# Altium PCB BRG_Daughter_Single.PcbDoc (part 2 of 2) (continued)
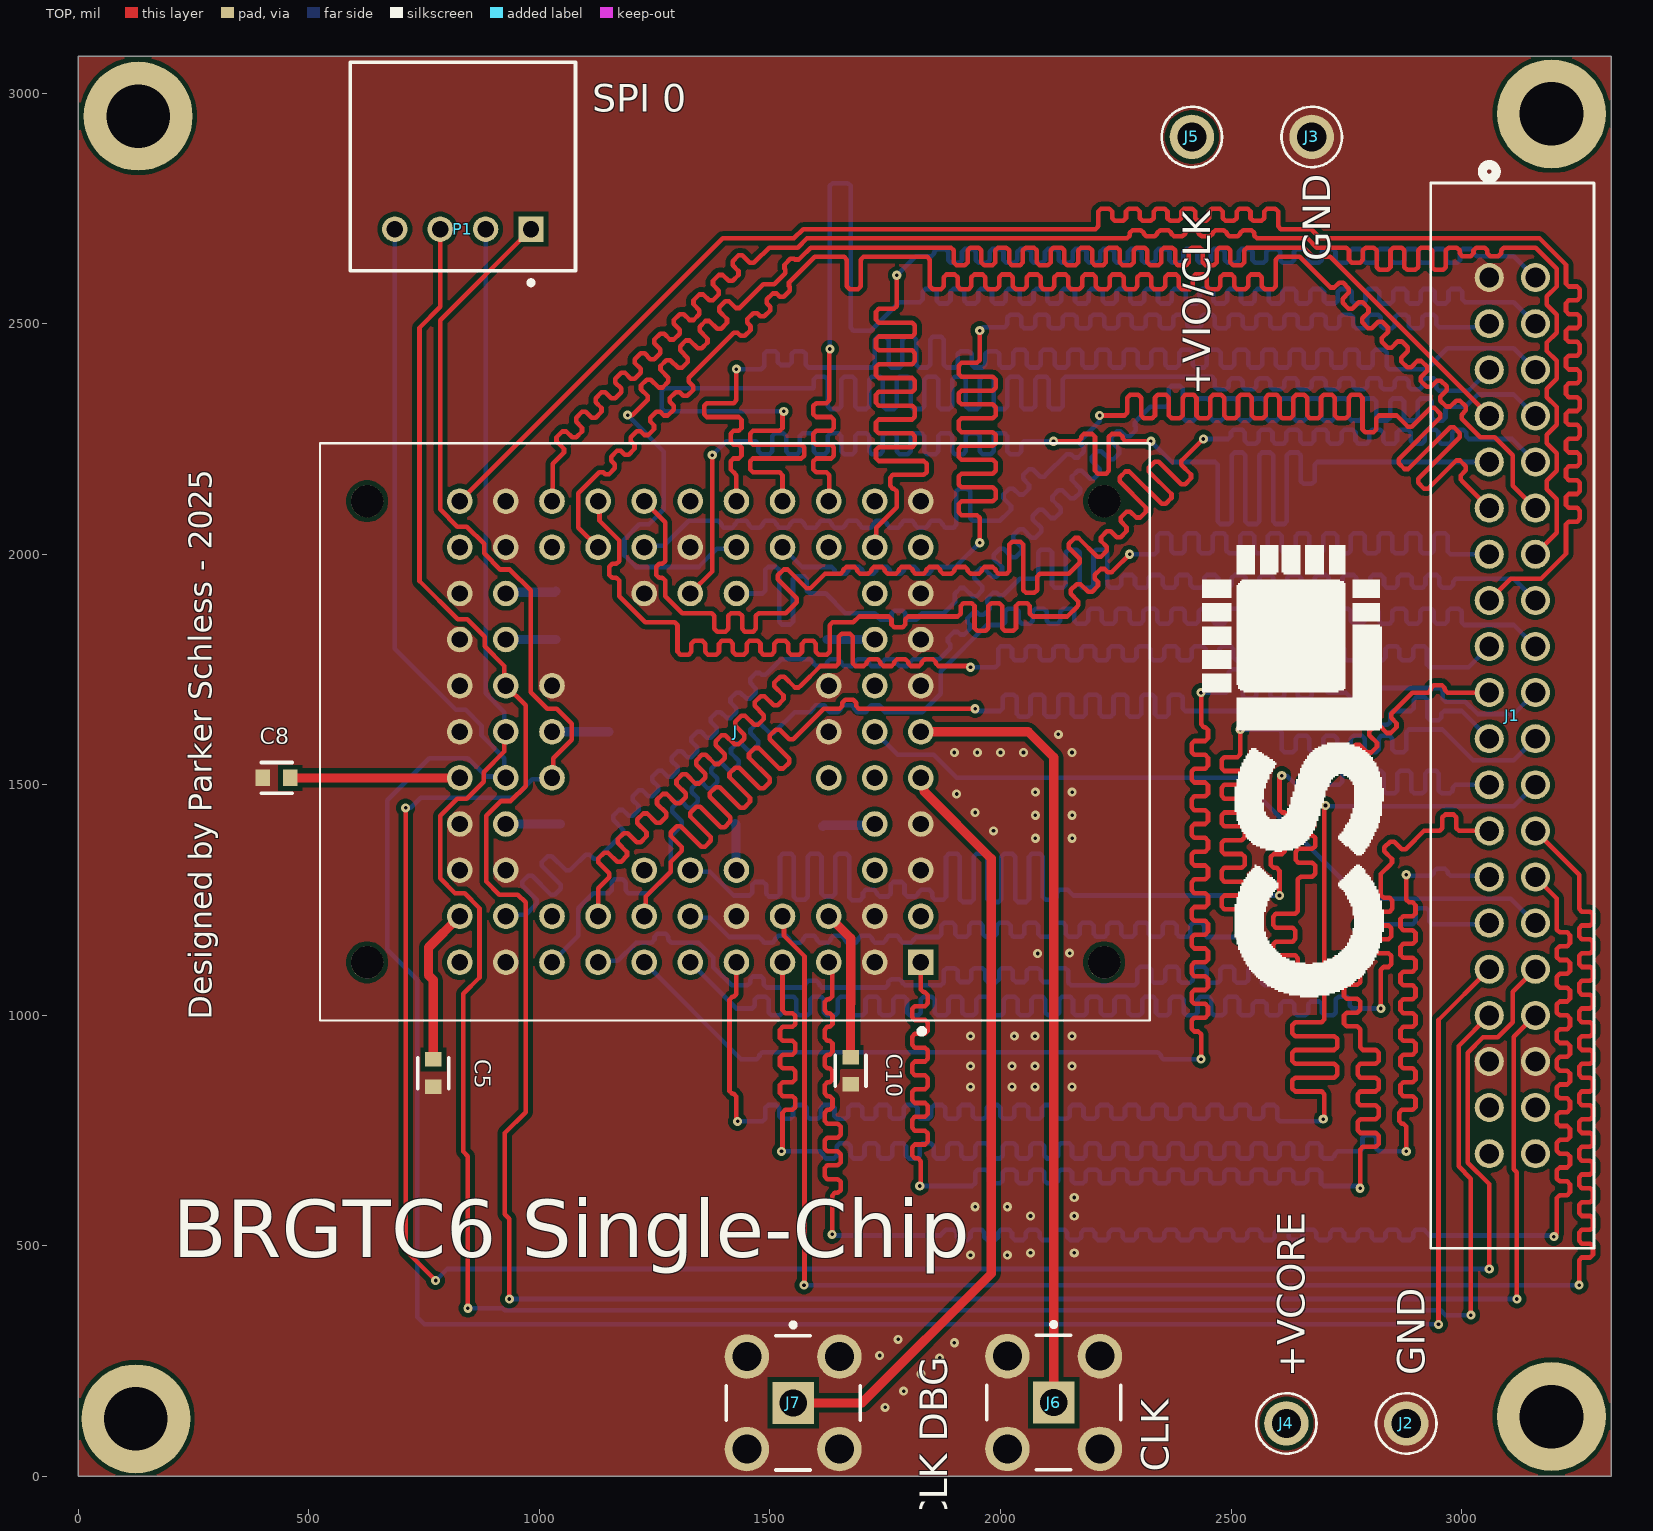
[diagram p0: TOP view]
## Nets (pads, with @x,y where several pads share a name; then routed paths per layer and width w, separated by ;. In a path a pad name is that pad's centre, name@x,y a point inside that pad or via, vN(x,y) a via of type N, cw(c..) or ccw(c..) an arc to the next point about the centre after c; other vN are vias at no path point) (continued)
CRED_MSG_UP_7: J1.22 J.B6 | length 3703.8
  TOP w10: v1(2520,1170) 2520,1219 2520,1224 2514,1230 2485.5,1230 2479.5,1236 2479.5,1254 2485.5,1260 2523.5,1260 2529.5,1266 2529.5,1284 2523.5,1290 2485.5,1290 2479.5,1296 2479.5,1314 2485.5,1320 2523.5,1320 2529.5,1326 2529.5,1344 2523.5,1350 2485.5,1350 2479.5,1356 2479.5,1374 2485.5,1380 2523.5,1380 2529.5,1386 2529.5,1404 2523.5,1410 2485.5,1410 2479.5,1416 2479.5,1434 2485.5,1440 2523.5,1440 2529.5,1446 2529.5,1464 2523.5,1470 2485.5,1470 2479.5,1476 2479.5,1494 2485.5,1500 2523.5,1500 2529.5,1506 2529.5,1524 2523.5,1530 2485.5,1530 2479.5,1536 2479.5,1554 2485.5,1560 2514,1560 2520,1566 2520,1571 v1(2520,1620)
  BOT w10: J.B6@1327.36,1215 1330.49,1211.87 1370.08,1211.87 1411.95,1170 1470.95,1170 1475.95,1170 1481.95,1164 1481.95,1163.72 1487.95,1157.72 1505.95,1157.72 1511.95,1163.72 1511.95,1166.28 1517.95,1172.28 1535.95,1172.28 1541.95,1166.28 1541.95,1163.72 1547.95,1157.72 1565.95,1157.72 1571.95,1163.72 1571.95,1166.28 1577.95,1172.28 1595.95,1172.28 1601.95,1166.28 1601.95,1163.72 1607.95,1157.72 1625.95,1157.72 1631.95,1163.72 1631.95,1166.28 1637.95,1172.28 1655.95,1172.28 1661.95,1166.28 1661.95,1163.72 1667.95,1157.72 1685.95,1157.72 1691.95,1163.72 1691.95,1166.28 1697.95,1172.28 1715.95,1172.28 1721.95,1166.28 1721.95,1163.72 1727.95,1157.72 1745.95,1157.72 1751.95,1163.72 1751.95,1166.28 1757.95,1172.28 1775.95,1172.28 1781.95,1166.28 1781.95,1163.72 1787.95,1157.72 1805.95,1157.72 1811.95,1163.72 1811.95,1164 1817.95,1170 1822.95,1170 1860.95,1170 1865.95,1170 1871.95,1176 1871.95,1194.54 1877.95,1200.54 1895.95,1200.54 1901.95,1194.54 1901.95,1176.54 1907.95,1170.54 1925.95,1170.54 1931.95,1176.54 1931.95,1194.54 1937.95,1200.54 1955.95,1200.54 1961.95,1194.54 1961.95,1176.54 1967.95,1170.54 1985.95,1170.54 1991.95,1176.54 1991.95,1194.54 1997.95,1200.54 2015.95,1200.54 2021.95,1194.54 2021.95,1176.54 2027.95,1170.54 2045.95,1170.54 2051.95,1176.54 2051.95,1194.54 2057.95,1200.54 2075.95,1200.54 2081.95,1194.54 2081.95,1176.54 2087.95,1170.54 2105.95,1170.54 2111.95,1176.54 2111.95,1194.54 2117.95,1200.54 2135.95,1200.54 2141.95,1194.54 2141.95,1176.54 2147.95,1170.54 2165.95,1170.54 2171.95,1176.54 2171.95,1194.54 2177.95,1200.54 2195.95,1200.54 2201.95,1194.54 2201.95,1176.54 2207.95,1170.54 2225.95,1170.54 2231.95,1176.54 2231.95,1194.54 2237.95,1200.54 2255.95,1200.54 2261.95,1194.54 2261.95,1176.54 2267.95,1170.54 2285.95,1170.54 2291.95,1176.54 2291.95,1194.54 2297.95,1200.54 2315.95,1200.54 2321.95,1194.54 2321.95,1176.54 2327.95,1170.54 2345.95,1170.54 2351.95,1176.54 2351.95,1194.54 2357.95,1200.54 2375.95,1200.54 2381.95,1194.54 2381.95,1176.54 2387.95,1170.54 2405.95,1170.54 2411.95,1176.54 2411.95,1194.54 2417.95,1200.54 2435.95,1200.54 2441.95,1194.54 2441.95,1176 2447.95,1170 2452.95,1170 v1(2520,1170) ; v1(2520,1620) 2599,1620 2604,1620 2610,1614 2610,1576.5 2616,1570.5 2634,1570.5 2640,1576.5 2640,1600 2646,1606 2664,1606 2670,1600 2670,1576.5 2676,1570.5 2694,1570.5 2700,1576.5 2700,1600 2706,1606 2724,1606 2730,1600 2730,1576.5 2736,1570.5 2754,1570.5 2760,1576.5 2760,1600 2766,1606 2784,1606 2790,1600 2790,1576.5 2796,1570.5 2814,1570.5 2820,1576.5 2820,1600 2826,1606 2844,1606 2850,1600 2850,1576.5 2856,1570.5 2874,1570.5 2880,1576.5 2880,1614 2886,1620 2891,1620 2958.15,1620 3024.65,1553.5 3113.5,1553.5 J1.22@3160,1600
CRED_REPAIR_DOWN: J1.2 J.K2 | length 3916.1
  TOP w10: J.K2@1727.36,2015 1730.49,2018.13 1730.49,2057.72 1775,2102.23 1775,2131.23 1775,2136.23 1769,2142.23 1766.54,2142.23 1760.54,2148.23 1760.54,2166.23 1766.54,2172.23 1834,2172.23 1840,2178.23 1840,2196.23 1834,2202.23 1736,2202.23 1730,2208.23 1730,2226.23 1736,2232.23 1808.46,2232.23 1814.46,2238.23 1814.46,2256.23 1808.46,2262.23 1736,2262.23 1730,2268.23 1730,2286.23 1736,2292.23 1808.46,2292.23 1814.46,2298.23 1814.46,2316.23 1808.46,2322.23 1736,2322.23 1730,2328.23 1730,2346.23 1736,2352.23 1808.46,2352.23 1814.46,2358.23 1814.46,2376.23 1808.46,2382.23 1736,2382.23 1730,2388.23 1730,2406.23 1736,2412.23 1808.46,2412.23 1814.46,2418.23 1814.46,2436.23 1808.46,2442.23 1736,2442.23 1730,2448.23 1730,2466.23 1736,2472.23 1808.46,2472.23 1814.46,2478.23 1814.46,2496.23 1808.46,2502.23 1736,2502.23 1730,2508.23 1730,2526.23 1736,2532.23 1769,2532.23 1775,2538.23 1775,2543.23 v1(1775,2605)
  BOT w10: v1(1775,2605) 1816.5,2646.5 1845.5,2646.5 1850.5,2646.5 1856.5,2652.5 1856.5,2656 1862.5,2662 1880.5,2662 1886.5,2656 1886.5,2638 1892.5,2632 1910.5,2632 1916.5,2638 1916.5,2656 1922.5,2662 1940.5,2662 1946.5,2656 1946.5,2638 1952.5,2632 1970.5,2632 1976.5,2638 1976.5,2656 1982.5,2662 2000.5,2662 2006.5,2656 2006.5,2638 2012.5,2632 2030.5,2632 2036.5,2638 2036.5,2656 2042.5,2662 2060.5,2662 2066.5,2656 2066.5,2638 2072.5,2632 2090.5,2632 2096.5,2638 2096.5,2656 2102.5,2662 2120.5,2662 2126.5,2656 2126.5,2638 2132.5,2632 2150.5,2632 2156.5,2638 2156.5,2656 2162.5,2662 2180.5,2662 2186.5,2656 2186.5,2638 2192.5,2632 2210.5,2632 2216.5,2638 2216.5,2656 2222.5,2662 2240.5,2662 2246.5,2656 2246.5,2638 2252.5,2632 2270.5,2632 2276.5,2638 2276.5,2656 2282.5,2662 2300.5,2662 2306.5,2656 2306.5,2638 2312.5,2632 2330.5,2632 2336.5,2638 2336.5,2656 2342.5,2662 2360.5,2662 2366.5,2656 2366.5,2638 2372.5,2632 2390.5,2632 2396.5,2638 2396.5,2656 2402.5,2662 2420.5,2662 2426.5,2656 2426.5,2638 2432.5,2632 2450.5,2632 2456.5,2638 2456.5,2656 2462.5,2662 2480.5,2662 2486.5,2656 2486.5,2638 2492.5,2632 2510.5,2632 2516.5,2638 2516.5,2656 2522.5,2662 2540.5,2662 2546.5,2656 2546.5,2638 2552.5,2632 2570.5,2632 2576.5,2638 2576.5,2656 2582.5,2662 2600.5,2662 2606.5,2656 2606.5,2638 2612.5,2632 2630.5,2632 2636.5,2638 2636.5,2656 2642.5,2662 2660.5,2662 2666.5,2656 2666.5,2638 2672.5,2632 2690.5,2632 2696.5,2638 2696.5,2656 2702.5,2662 2720.5,2662 2726.5,2656 2726.5,2638 2732.5,2632 2750.5,2632 2756.5,2638 2756.5,2656 2762.5,2662 2780.5,2662 2786.5,2656 2786.5,2638 2792.5,2632 2810.5,2632 2816.5,2638 2816.5,2656 2822.5,2662 2840.5,2662 2846.5,2656 2846.5,2638 2852.5,2632 2870.5,2632 2876.5,2638 2876.5,2656 2882.5,2662 2900.5,2662 2906.5,2656 2906.5,2638 2912.5,2632 2930.5,2632 2936.5,2638 2936.5,2656 2942.5,2662 2960.5,2662 2966.5,2656 2966.5,2638 2972.5,2632 2990.5,2632 2996.5,2638 2996.5,2656 3002.5,2662 3020.5,2662 3026.5,2656 3026.5,2652.5 3032.5,2646.5 3037.5,2646.5 3113.5,2646.5 J1.2@3160,2600
CRED_REPAIR_UP: J1.16 J.B10 | length 4236.5
  BOT w10: J.B10@927.36,1215 930.49,1218.13 970.08,1218.13 990.58,1238.63 994.12,1242.17 994.12,1250.65 963.02,1281.76 963.02,1290.24 975.74,1302.97 984.23,1302.97 1025.24,1261.96 1033.73,1261.96 1046.45,1274.69 1046.45,1283.17 1005.44,1324.18 1005.44,1332.67 1018.17,1345.4 1026.66,1345.4 1057.76,1314.29 1066.25,1314.29 1069.78,1317.83 1100.19,1348.23 1108.67,1348.23 1117.68,1339.23 1126.16,1339.23 1177.78,1390.85 1181.32,1394.38 1181.32,1402.87 1159.94,1424.25 1159.94,1432.73 1172.66,1445.46 1181.15,1445.46 1193.88,1432.73 1202.36,1432.73 1215.09,1445.46 1215.09,1453.95 1202.36,1466.68 1202.36,1475.16 1215.09,1487.89 1223.58,1487.89 1236.3,1475.16 1244.79,1475.16 1257.52,1487.89 1257.52,1496.37 1244.79,1509.1 1244.79,1517.59 1257.52,1530.31 1266,1530.31 1278.73,1517.59 1287.22,1517.59 1299.94,1530.31 1299.94,1538.8 1287.22,1551.53 1287.22,1560.01 1299.94,1572.74 1308.43,1572.74 1321.16,1560.01 1329.64,1560.01 1342.37,1572.74 1342.37,1581.23 1329.64,1593.95 1329.64,1602.44 1342.37,1615.17 1350.86,1615.17 1363.58,1602.44 1372.07,1602.44 1384.8,1615.17 1384.8,1623.65 1372.07,1636.38 1372.07,1644.87 1384.8,1657.59 1393.28,1657.59 1406.01,1644.87 1414.5,1644.87 1427.22,1657.59 1427.22,1666.08 1414.5,1678.81 1414.5,1687.29 1427.22,1700.02 1435.71,1700.02 1448.44,1687.29 1456.92,1687.29 1469.65,1700.02 1469.65,1708.51 1456.92,1721.23 1456.92,1729.72 1469.65,1742.45 1478.13,1742.45 1482.02,1738.56 1490.51,1738.56 1494.04,1742.09 1524.24,1772.28 1583.24,1772.28 1588.24,1772.28 1594.24,1766.28 1594.24,1763.72 1600.24,1757.72 1618.24,1757.72 1624.24,1763.72 1624.24,1766.28 1630.24,1772.28 1648.24,1772.28 1654.24,1766.28 1654.24,1763.72 1660.24,1757.72 1678.24,1757.72 1684.24,1763.72 1684.24,1766.28 1690.24,1772.28 1708.24,1772.28 1714.24,1766.28 1714.24,1763.72 1720.24,1757.72 1738.24,1757.72 1744.24,1763.72 1744.24,1766.28 1750.24,1772.28 1768.24,1772.28 1774.24,1766.28 1774.24,1763.72 1780.24,1757.72 1798.24,1757.72 1804.24,1763.72 1804.24,1766.28 1810.24,1772.28 1815.24,1772.28 1867.43,1772.28 1887.94,1792.79 1891.47,1796.32 1891.47,1804.81 1886.14,1810.14 1886.14,1818.62 1898.87,1831.35 1907.36,1831.35 1912.69,1826.02 1921.17,1826.02 1933.9,1838.75 1933.9,1847.24 1928.57,1852.57 1928.57,1861.05 1941.3,1873.78 1949.78,1873.78 1955.11,1868.45 1963.6,1868.45 1976.33,1881.18 1976.33,1889.66 1971,1894.99 1971,1903.48 1983.72,1916.21 1992.21,1916.21 1997.54,1910.88 2006.02,1910.88 2009.56,1914.41 2041.65,1946.5 2070.65,1946.5 2075.65,1946.5 2081.65,1952.5 2081.65,2004.16 2087.65,2010.16 2105.65,2010.16 2111.65,2004.16 2111.65,1933.47 2117.65,1927.47 2135.65,1927.47 2141.65,1933.47 2141.65,2004.16 2147.65,2010.16 2165.65,2010.16 2171.65,2004.16 2171.65,1933.47 2177.65,1927.47 2195.65,1927.47 2201.65,1933.47 2201.65,2004.16 2207.65,2010.16 2225.65,2010.16 2231.65,2004.16 2231.65,1933.47 2237.65,1927.47 2255.65,1927.47 2261.65,1933.47 2261.65,1948.94 2267.65,1954.94 2285.65,1954.94 2291.65,1948.94 2291.65,1933.47 2297.65,1927.47 2315.65,1927.47 2321.65,1933.47 2321.65,1948.94 2327.65,1954.94 2345.65,1954.94 2351.65,1948.94 2351.65,1933.47 2357.65,1927.47 2375.65,1927.47 2381.65,1933.47 2381.65,1948.94 2387.65,1954.94 2405.65,1954.94 2411.65,1948.94 2411.65,1933.47 2417.65,1927.47 2435.65,1927.47 2441.65,1933.47 2441.65,1948.94 2447.65,1954.94 2465.65,1954.94 2471.65,1948.94 2471.65,1933.47 2477.65,1927.47 2495.65,1927.47 2501.65,1933.47 2501.65,1948.94 2507.65,1954.94 2525.65,1954.94 2531.65,1948.94 2531.65,1933.47 2537.65,1927.47 2555.65,1927.47 2561.65,1933.47 2561.65,1948.94 2567.65,1954.94 2585.65,1954.94 2591.65,1948.94 2591.65,1933.47 2597.65,1927.47 2615.65,1927.47 2621.65,1933.47 2621.65,1948.94 2627.65,1954.94 2645.65,1954.94 2651.65,1948.94 2651.65,1933.47 2657.65,1927.47 2675.65,1927.47 2681.65,1933.47 2681.65,1948.94 2687.65,1954.94 2705.65,1954.94 2711.65,1948.94 2711.65,1933.47 2717.65,1927.47 2735.65,1927.47 2741.65,1933.47 2741.65,1948.94 2747.65,1954.94 2765.65,1954.94 2771.65,1948.94 2771.65,1933.47 2777.65,1927.47 2795.65,1927.47 2801.65,1933.47 2801.65,1948.94 2807.65,1954.94 2825.65,1954.94 2831.65,1948.94 2831.65,1933.47 2837.65,1927.47 2855.65,1927.47 2861.65,1933.47 2861.65,1948.94 2867.65,1954.94 2885.65,1954.94 2891.65,1948.94 2891.65,1933.47 2897.65,1927.47 2915.65,1927.47 2921.65,1933.47 2921.65,1948.94 2927.65,1954.94 2945.65,1954.94 2951.65,1948.94 2951.65,1933.47 2957.65,1927.47 2975.65,1927.47 2981.65,1933.47 2981.65,1940.5 2987.65,1946.5 2992.65,1946.5 3113.5,1946.5 J1.16@3160,1900
CRED_RST_DOWN: J1.3 J.K4 | length 3634.9
  TOP w10: v1(1955,2025) 1955,2074 1955,2079 1949,2085 1915.5,2085 1909.5,2091 1909.5,2109 1915.5,2115 1983.5,2115 1989.5,2121 1989.5,2139 1983.5,2145 1915.5,2145 1909.5,2151 1909.5,2169 1915.5,2175 1983.5,2175 1989.5,2181 1989.5,2199 1983.5,2205 1915.5,2205 1909.5,2211 1909.5,2229 1915.5,2235 1983.5,2235 1989.5,2241 1989.5,2259 1983.5,2265 1915.5,2265 1909.5,2271 1909.5,2289 1915.5,2295 1983.5,2295 1989.5,2301 1989.5,2319 1983.5,2325 1915.5,2325 1909.5,2331 1909.5,2349 1915.5,2355 1983.5,2355 1989.5,2361 1989.5,2379 1983.5,2385 1915.5,2385 1909.5,2391 1909.5,2409 1915.5,2415 1949,2415 1955,2421 1955,2426 v1(1955,2485)
  BOT w10: J.K4@1527.36,2015 1570.08,1972.28 1629.08,1972.28 1634.08,1972.28 1640.08,1966.28 1640.08,1963.72 1646.08,1957.72 1664.08,1957.72 1670.08,1963.72 1670.08,1966.28 1676.08,1972.28 1694.08,1972.28 1700.08,1966.28 1700.08,1963.72 1706.08,1957.72 1724.08,1957.72 1730.08,1963.72 1730.08,1966.28 1736.08,1972.28 1754.08,1972.28 1760.08,1966.28 1760.08,1963.72 1766.08,1957.72 1784.08,1957.72 1790.08,1963.72 1790.08,1966.28 1796.08,1972.28 1814.08,1972.28 1820.08,1966.28 1820.08,1963.72 1826.08,1957.72 1844.08,1957.72 1850.08,1963.72 1850.08,1966.28 1856.08,1972.28 1861.08,1972.28 1902.28,1972.28 v1(1955,2025) ; v1(1955,2485) 1962.5,2492.5 2004,2492.5 2009,2492.5 2015,2498.5 2015,2513.74 2021,2519.74 2039,2519.74 2045,2513.74 2045,2495.74 2051,2489.74 2069,2489.74 2075,2495.74 2075,2513.74 2081,2519.74 2099,2519.74 2105,2513.74 2105,2495.74 2111,2489.74 2129,2489.74 2135,2495.74 2135,2513.74 2141,2519.74 2159,2519.74 2165,2513.74 2165,2495.74 2171,2489.74 2189,2489.74 2195,2495.74 2195,2513.74 2201,2519.74 2219,2519.74 2225,2513.74 2225,2495.74 2231,2489.74 2249,2489.74 2255,2495.74 2255,2513.74 2261,2519.74 2279,2519.74 2285,2513.74 2285,2495.74 2291,2489.74 2309,2489.74 2315,2495.74 2315,2513.74 2321,2519.74 2339,2519.74 2345,2513.74 2345,2495.74 2351,2489.74 2369,2489.74 2375,2495.74 2375,2513.74 2381,2519.74 2399,2519.74 2405,2513.74 2405,2495.74 2411,2489.74 2429,2489.74 2435,2495.74 2435,2513.74 2441,2519.74 2459,2519.74 2465,2513.74 2465,2495.74 2471,2489.74 2489,2489.74 2495,2495.74 2495,2513.74 2501,2519.74 2519,2519.74 2525,2513.74 2525,2495.74 2531,2489.74 2549,2489.74 2555,2495.74 2555,2513.74 2561,2519.74 2579,2519.74 2585,2513.74 2585,2495.74 2591,2489.74 2609,2489.74 2615,2495.74 2615,2513.74 2621,2519.74 2639,2519.74 2645,2513.74 2645,2495.74 2651,2489.74 2669,2489.74 2675,2495.74 2675,2513.74 2681,2519.74 2699,2519.74 2705,2513.74 2705,2495.74 2711,2489.74 2729,2489.74 2735,2495.74 2735,2513.74 2741,2519.74 2759,2519.74 2765,2513.74 2765,2495.74 2771,2489.74 2789,2489.74 2795,2495.74 2795,2513.74 2801,2519.74 2819,2519.74 2825,2513.74 2825,2495.74 2831,2489.74 2849,2489.74 2855,2495.74 2855,2513.74 2861,2519.74 2879,2519.74 2885,2513.74 2885,2495.74 2891,2489.74 2909,2489.74 2915,2495.74 2915,2513.74 2921,2519.74 2939,2519.74 2945,2513.74 2945,2498.5 2951,2492.5 2956,2492.5 3052.5,2492.5 J1.3@3060,2500
CRED_RST_UP: J1.17 J.B8 | length 3820.2
  TOP w10: J.B8@1127.36,1215 1127.36,1275.41 1147.87,1295.92 1151.4,1299.45 1151.4,1307.94 1127.72,1331.63 1127.72,1340.11 1140.44,1352.84 1148.93,1352.84 1168.73,1333.04 1177.21,1333.04 1189.94,1345.77 1189.94,1354.25 1170.14,1374.05 1170.14,1382.54 1182.87,1395.26 1191.36,1395.26 1211.15,1375.47 1219.64,1375.47 1232.37,1388.19 1232.37,1396.68 1212.57,1416.48 1212.57,1424.96 1225.3,1437.69 1233.78,1437.69 1253.58,1417.89 1262.07,1417.89 1274.79,1430.62 1274.79,1439.11 1254.99,1458.9 1254.99,1467.39 1267.72,1480.12 1276.21,1480.12 1296.01,1460.32 1304.49,1460.32 1317.22,1473.05 1317.22,1481.53 1297.42,1501.33 1297.42,1509.82 1310.15,1522.54 1318.63,1522.54 1338.43,1502.75 1346.92,1502.75 1359.65,1515.47 1359.65,1523.96 1339.85,1543.76 1339.85,1552.24 1352.58,1564.97 1361.06,1564.97 1380.86,1545.17 1389.35,1545.17 1402.07,1557.9 1402.07,1566.38 1382.27,1586.18 1382.27,1594.67 1395,1607.4 1403.49,1607.4 1423.29,1587.6 1431.77,1587.6 1444.5,1600.33 1444.5,1608.81 1424.7,1628.61 1424.7,1637.1 1437.43,1649.82 1445.91,1649.82 1465.71,1630.02 1474.2,1630.02 1486.93,1642.75 1486.93,1651.24 1467.13,1671.04 1467.13,1679.52 1479.85,1692.25 1488.34,1692.25 1508.14,1672.45 1516.62,1672.45 1529.35,1685.18 1529.35,1693.66 1509.55,1713.46 1509.55,1721.95 1522.28,1734.68 1530.77,1734.68 1554.45,1710.99 1562.94,1710.99 1566.48,1714.52 1609.67,1757.72 1638.67,1757.72 1643.67,1757.72 1649.67,1763.72 1649.67,1821.72 1655.67,1827.72 1673.67,1827.72 1679.67,1821.72 1679.67,1763.72 1685.67,1757.72 1703.67,1757.72 1709.67,1763.72 1709.67,1766.28 1715.67,1772.28 1733.67,1772.28 1739.67,1766.28 1739.67,1763.72 1745.67,1757.72 1763.67,1757.72 1769.67,1763.72 1769.67,1766.28 1775.67,1772.28 1793.67,1772.28 1799.67,1766.28 1799.67,1763.72 1805.67,1757.72 1823.67,1757.72 1829.67,1763.72 1829.67,1766.28 1835.67,1772.28 1853.67,1772.28 1859.67,1766.28 1859.67,1763.72 1865.67,1757.72 1870.67,1757.72 1932.28,1757.72 v1(1935,1755)
  BOT w10: v1(1935,1755) 1989,1755 1995,1761 1995,1794.5 2001,1800.5 2014,1800.5 2019,1800.5 2025,1794.5 2025,1776.5 2031,1770.5 2049,1770.5 2055,1776.5 2055,1794.5 2061,1800.5 2079,1800.5 2085,1794.5 2085,1776.5 2091,1770.5 2109,1770.5 2115,1776.5 2115,1794.5 2121,1800.5 2139,1800.5 2145,1794.5 2145,1776.5 2151,1770.5 2169,1770.5 2175,1776.5 2175,1794.5 2181,1800.5 2199,1800.5 2205,1794.5 2205,1776.5 2211,1770.5 2229,1770.5 2235,1776.5 2235,1794.5 2241,1800.5 2259,1800.5 2265,1794.5 2265,1776.5 2271,1770.5 2289,1770.5 2295,1776.5 2295,1794.5 2301,1800.5 2319,1800.5 2325,1794.5 2325,1776.5 2331,1770.5 2349,1770.5 2355,1776.5 2355,1794.5 2361,1800.5 2379,1800.5 2385,1794.5 2385,1776.5 2391,1770.5 2409,1770.5 2415,1776.5 2415,1794.5 2421,1800.5 2439,1800.5 2445,1794.5 2445,1776.5 2451,1770.5 2469,1770.5 2475,1776.5 2475,1794.5 2481,1800.5 2499,1800.5 2505,1794.5 2505,1776.5 2511,1770.5 2529,1770.5 2535,1776.5 2535,1794.5 2541,1800.5 2559,1800.5 2565,1794.5 2565,1776.5 2571,1770.5 2589,1770.5 2595,1776.5 2595,1794.5 2601,1800.5 2619,1800.5 2625,1794.5 2625,1776.5 2631,1770.5 2649,1770.5 2655,1776.5 2655,1794.5 2661,1800.5 2679,1800.5 2685,1794.5 2685,1776.5 2691,1770.5 2709,1770.5 2715,1776.5 2715,1794.5 2721,1800.5 2739,1800.5 2745,1794.5 2745,1776.5 2751,1770.5 2769,1770.5 2775,1776.5 2775,1794.5 2781,1800.5 2799,1800.5 2805,1794.5 2805,1776.5 2811,1770.5 2829,1770.5 2835,1776.5 2835,1794.5 2841,1800.5 2859,1800.5 2865,1794.5 2865,1776.5 2871,1770.5 2889,1770.5 2895,1776.5 2895,1794.5 2901,1800.5 2906,1800.5 2919,1800.5 2925,1794.5 2925,1761 2931,1755 3015,1755 J1.17@3060,1800
CRED_VAL_DOWN: J1.6 J.L5 | length 3711.2
  TOP w10: J.L5@1427.36,2115 1427.36,2166.72 1427.36,2171.72 1421.36,2177.72 1421,2177.72 1415,2183.72 1415,2201.72 1421,2207.72 1432.28,2207.72 1438.28,2213.72 1438.28,2231.72 1432.28,2237.72 1421,2237.72 1415,2243.72 1415,2261.72 1421,2267.72 1432.28,2267.72 1438.28,2273.72 1438.28,2291.72 1432.28,2297.72 1363.36,2297.72 1357.36,2303.72 1357.36,2321.72 1363.36,2327.72 1421.36,2327.72 1427.36,2333.72 1427.36,2338.72 v1(1427.36,2401.52)
  BOT w10: v1(1427.36,2401.52) 1476.36,2401.52 1481.36,2401.52 1487.36,2407.52 1487.36,2434.5 1493.36,2440.5 1511.36,2440.5 1517.36,2434.5 1517.36,2416.5 1523.36,2410.5 1541.36,2410.5 1547.36,2416.5 1547.36,2434.5 1553.36,2440.5 1571.36,2440.5 1577.36,2434.5 1577.36,2411 1583.36,2405 1721.36,2405 1727.36,2411 1727.36,2465.52 1733.36,2471.52 1751.36,2471.52 1757.36,2465.52 1757.36,2411 1763.36,2405 1781.36,2405 1787.36,2411 1787.36,2465.52 1793.36,2471.52 1811.36,2471.52 1817.36,2465.52 1817.36,2411 1823.36,2405 1841.36,2405 1847.36,2411 1847.36,2465.52 1853.36,2471.52 1871.36,2471.52 1877.36,2465.52 1877.36,2411 1883.36,2405 1901.36,2405 1907.36,2411 1907.36,2434.5 1913.36,2440.5 1931.36,2440.5 1937.36,2434.5 1937.36,2411 1943.36,2405 1961.36,2405 1967.36,2411 1967.36,2434.5 1973.36,2440.5 1991.36,2440.5 1997.36,2434.5 1997.36,2411 2003.36,2405 2021.36,2405 2027.36,2411 2027.36,2437.55 2033.36,2443.55 2051.36,2443.55 2057.36,2437.55 2057.36,2411 2063.36,2405 2081.36,2405 2087.36,2411 2087.36,2437.55 2093.36,2443.55 2111.36,2443.55 2117.36,2437.55 2117.36,2411 2123.36,2405 2141.36,2405 2147.36,2411 2147.36,2437.55 2153.36,2443.55 2171.36,2443.55 2177.36,2437.55 2177.36,2411 2183.36,2405 2201.36,2405 2207.36,2411 2207.36,2437.55 2213.36,2443.55 2231.36,2443.55 2237.36,2437.55 2237.36,2411 2243.36,2405 2261.36,2405 2267.36,2411 2267.36,2437.55 2273.36,2443.55 2291.36,2443.55 2297.36,2437.55 2297.36,2411 2303.36,2405 2321.36,2405 2327.36,2411 2327.36,2437.55 2333.36,2443.55 2351.36,2443.55 2357.36,2437.55 2357.36,2411 2363.36,2405 2381.36,2405 2387.36,2411 2387.36,2437.55 2393.36,2443.55 2411.36,2443.55 2417.36,2437.55 2417.36,2411 2423.36,2405 2441.36,2405 2447.36,2411 2447.36,2437.55 2453.36,2443.55 2471.36,2443.55 2477.36,2437.55 2477.36,2411 2483.36,2405 2501.36,2405 2507.36,2411 2507.36,2437.55 2513.36,2443.55 2531.36,2443.55 2537.36,2437.55 2537.36,2411 2543.36,2405 2561.36,2405 2567.36,2411 2567.36,2437.55 2573.36,2443.55 2591.36,2443.55 2597.36,2437.55 2597.36,2411 2603.36,2405 2621.36,2405 2627.36,2411 2627.36,2437.55 2633.36,2443.55 2651.36,2443.55 2657.36,2437.55 2657.36,2411 2663.36,2405 2681.36,2405 2687.36,2411 2687.36,2437.55 2693.36,2443.55 2711.36,2443.55 2717.36,2437.55 2717.36,2411 2723.36,2405 2741.36,2405 2747.36,2411 2747.36,2437.55 2753.36,2443.55 2771.36,2443.55 2777.36,2437.55 2777.36,2411 2783.36,2405 2801.36,2405 2807.36,2411 2807.36,2437.55 2813.36,2443.55 2831.36,2443.55 2837.36,2437.55 2837.36,2407.52 2843.36,2401.52 2848.36,2401.52 2924.05,2401.52 2969.02,2446.5 3113.5,2446.5 J1.6@3160,2400
CRED_VAL_UP: J1.20 J.A7 | length 3957.1
  TOP w10: v1(2435,905) 2435,954 2435,959 2429,965 2420.5,965 2414.5,971 2414.5,989 2420.5,995 2444,995 2450,1001 2450,1019 2444,1025 2420.5,1025 2414.5,1031 2414.5,1049 2420.5,1055 2444,1055 2450,1061 2450,1079 2444,1085 2420.5,1085 2414.5,1091 2414.5,1109 2420.5,1115 2444,1115 2450,1121 2450,1139 2444,1145 2420.5,1145 2414.5,1151 2414.5,1169 2420.5,1175 2444,1175 2450,1181 2450,1199 2444,1205 2420.5,1205 2414.5,1211 2414.5,1229 2420.5,1235 2444,1235 2450,1241 2450,1259 2444,1265 2420.5,1265 2414.5,1271 2414.5,1289 2420.5,1295 2444,1295 2450,1301 2450,1319 2444,1325 2420.5,1325 2414.5,1331 2414.5,1349 2420.5,1355 2444,1355 2450,1361 2450,1379 2444,1385 2420.5,1385 2414.5,1391 2414.5,1409 2420.5,1415 2444,1415 2450,1421 2450,1439 2444,1445 2420.5,1445 2414.5,1451 2414.5,1469 2420.5,1475 2444,1475 2450,1481 2450,1499 2444,1505 2420.5,1505 2414.5,1511 2414.5,1529 2420.5,1535 2444,1535 2450,1541 2450,1559 2444,1565 2420.5,1565 2414.5,1571 2414.5,1589 2420.5,1595 2444,1595 2450,1601 2450,1619 2444,1625 2441,1625 2435,1631 2435,1636 v1(2435,1700)
  BOT w10: J.A7@1227.36,1115 1437.36,905 1471.36,905 1477.36,911 1477.36,914 1483.36,920 2341.36,920 2347.36,914 2347.36,911 2353.36,905 v1(2435,905) ; v1(2435,1700) 2484,1700 2489,1700 2495,1706 2495,1744.5 2501,1750.5 2519,1750.5 2525,1744.5 2525,1693.5 2531,1687.5 2549,1687.5 2555,1693.5 2555,1744.5 2561,1750.5 2579,1750.5 2585,1744.5 2585,1693.5 2591,1687.5 2609,1687.5 2615,1693.5 2615,1744.5 2621,1750.5 2639,1750.5 2645,1744.5 2645,1693.5 2651,1687.5 2669,1687.5 2675,1693.5 2675,1744.5 2681,1750.5 2699,1750.5 2705,1744.5 2705,1706 2711,1700 2716,1700 2749.24,1700 2769.24,1680 2803.24,1680 2809.24,1686 2809.24,1704 2815.24,1710 2953.24,1710 2959.24,1704 2959.24,1686 2965.24,1680 3008.28,1680 3034.78,1653.5 3113.5,1653.5 J1.20@3160,1700
GND: C1.2 C2.2 C3.2 C4.2 C5.2 C6.2 C7.2 C8.2 C9.2 C10.2 J1.1 J1.35 J1.36 J2.1 J3.1 J6.2 J6.3 J6.4 J6.5 J7.2 J7.3 J7.4 J7.5 J.A2 J.A10 J.B2 J.B5 J.C1 J.C10 J.C11 J.D1 J.D11 J.F3 J.F11 J.G1 J.G3 J.G9 J.G11 J.H1 J.H11 J.J1 J.J7 J.J11 J.K6 J.K10 J.L1 J.L10
  other v1: 1750,150 1790,185 1828.04,222.26 1868.04,257.26 1738.04,262.26 1900,290 1778.04,297.26 1935,480 2015,480 2065,485 2160,485 2065,565 2160,565 1945,585 2015,585 2160,605 1935,845 2025,845 2075,845 2155,845 1935,890 2025,890 2075,890 2155,890 1935,955 2030,955 2075,955 2155,955 2080.52,1134.04 2150,1135 2075.52,1384.04 2155.52,1384.04 1985,1400 2075.52,1434.04 2155.52,1434.04 1945,1440 1905,1480 2075.52,1484.04 2155.52,1484.04 1900,1570 1950,1570 2000,1570 2050,1570 2155,1570 2125.47,1609.35
RESET: J1.30 J.F2 | length 1604.5
  BOT w10: J.F2@1727.36,1615 1777.36,1565 1855,1565 1905,1515 2520,1515 2782,1253 3107,1253 J1.30@3160,1200
SPI_0_CS: J1.31 J.E10 P1.4 | length 5795.1
  TOP w10: v1(2950,330) 2950,990 J1.31@3060,1100
  BOT w10: P1.4@686.57,2705 686.57,1795.38 819.2,1662.75 840.02,1662.75 874.58,1628.19 874.58,1607.37 924.24,1557.72 J.E10@924.24,1518.13 ; J.E10@927.36,1515 J.E10@924.24,1518.13 ; v1(2950,330) 750.86,330 735,345.86 735,1077.34 670,1142.34 670,1466.57 761.15,1557.72 845.06,1557.72 884.65,1518.13 J.E10@924.24,1518.13
SPI_0_MISO: J1.32 J.E9 P1.1 | length 5884.2
  TOP w10: v1(710,1450) 710,490 v1(775,425) ; P1.1@981.85,2705 784.65,2507.8 784.65,2097.31 821.96,2059.99 842.78,2059.99 880.09,2022.68 880.09,2001.86 915.13,1966.82 935.95,1966.82 981,1921.77 981,1700.95 1016.95,1665 1037.77,1665 1070.08,1632.69 1070.08,1597.31 1030.49,1557.72 1030.49,1518.13 J.E9@1027.36,1515 ; v1(3060,450) 3060,634.24 3013.5,680.74 3013.5,919.26 3046.52,952.28 3078.04,952.28 3111.06,985.3 3111.06,1051.06 J1.32@3160,1100
  BOT w10: v1(710,1450) 720.82,1450 743.11,1472.28 945.06,1472.28 984.65,1511.87 1024.24,1511.87 J.E9@1027.36,1515 ; v1(775,425) 800,450 v1(3060,450)
SPI_0_MOSI: J1.33 J.F10 P1.2 | length 5365.6
  TOP w10: v1(845,364.84) 845,694.79 835,704.79 835,1046.95 870.08,1082.03 870.08,1232.69 837.77,1265 816.95,1265 784.65,1297.31 784.65,1432.69 821.59,1469.63 842.41,1469.63 879.35,1506.57 879.35,1527.39 924.24,1572.28 924.24,1611.87 J.F10@927.36,1615 ; v1(3020,350) 3020,645.95 2993.5,672.45 2993.5,933.5 J1.33@3060,1000
  BOT w10: v1(845,364.84) 920.02,364.84 924.71,360.16 2954.98,360.16 2965.13,350 v1(3020,350) ; P1.2@883.43,2705 883.43,1698.53 924.24,1657.72 924.24,1618.13 J.F10@927.36,1615
SPI_0_SCK: J1.34 J.G10 P1.3 | length 5397.3
  TOP w10: P1.3@785,2705 785,2536.43 740,2491.43 740,1941.95 822.84,1859.11 843.66,1859.11 881.86,1820.91 881.86,1800.09 924.24,1757.72 924.24,1718.13 J.G10@927.36,1715 970.08,1672.28 970.08,1497.31 937.77,1465 916.95,1465 884.65,1432.69 884.65,1290.35 913.44,1261.56 953.44,1261.56 970.08,1244.92 970.08,790 925,744.92 925,568.77 935,558.77 v1(935,385) ; v1(3120,385) 3120,659.81 3113.5,666.31 3113.5,953.5 J1.34@3160,1000
  BOT w10: v1(935,385) v1(3120,385)
pads on no net: J. J.A11

## Polygon pours and split planes (outlines as drawn)
+VCORE on PWR "+VCORE_L03_P003" (solid, pour order 3): 3330,750 0,750 0,0 3325,0
+VIO/CLK on PWR "+VIO/CLK_L03_P004" (solid, pour order 4): 3325,760 0,760 0,3080 3325,3080
GND on GND "GND_L02_P000" (solid, pour order 0): 0,3080 3325,3080 3325,0 0,0
GND on BOT "GND_L04_P002" (solid, pour order 2): 0,3080 3325,3080 3325,0 0,0
GND on TOP "GND_L01_P001" (solid, pour order 1): 0,3080 3325,3080 3325,0 0,0

## Silkscreen, mask and mechanical layers (free items; w line width, h text height)
Top Overlay:
  drawing of 16 lines, arcs and shapes, not listed
  text "SPI 0" at 1115,2960 h60
  text "GND" at 2715,2635 h60 r90
  text "+VIO/CLK" at 2455,2345 h60 r90
  text "Designed by Parker Schless - 2025" at 290,990 h50 r90
  text "BRGTC6 Single-Chip" at 205,475 h125
  text "GND" at 2920,220 h60 r90
  text "+VCORE" at 2660,215 h60 r90
  text "CLK" at 2365,10 h60 r90
  text "CLK DBG" at 1885,-107.5 h60 r90
Mechanical 1:
  the board outline again, w10